# Allegro board 6089-103-RevA_73.brd (continued)
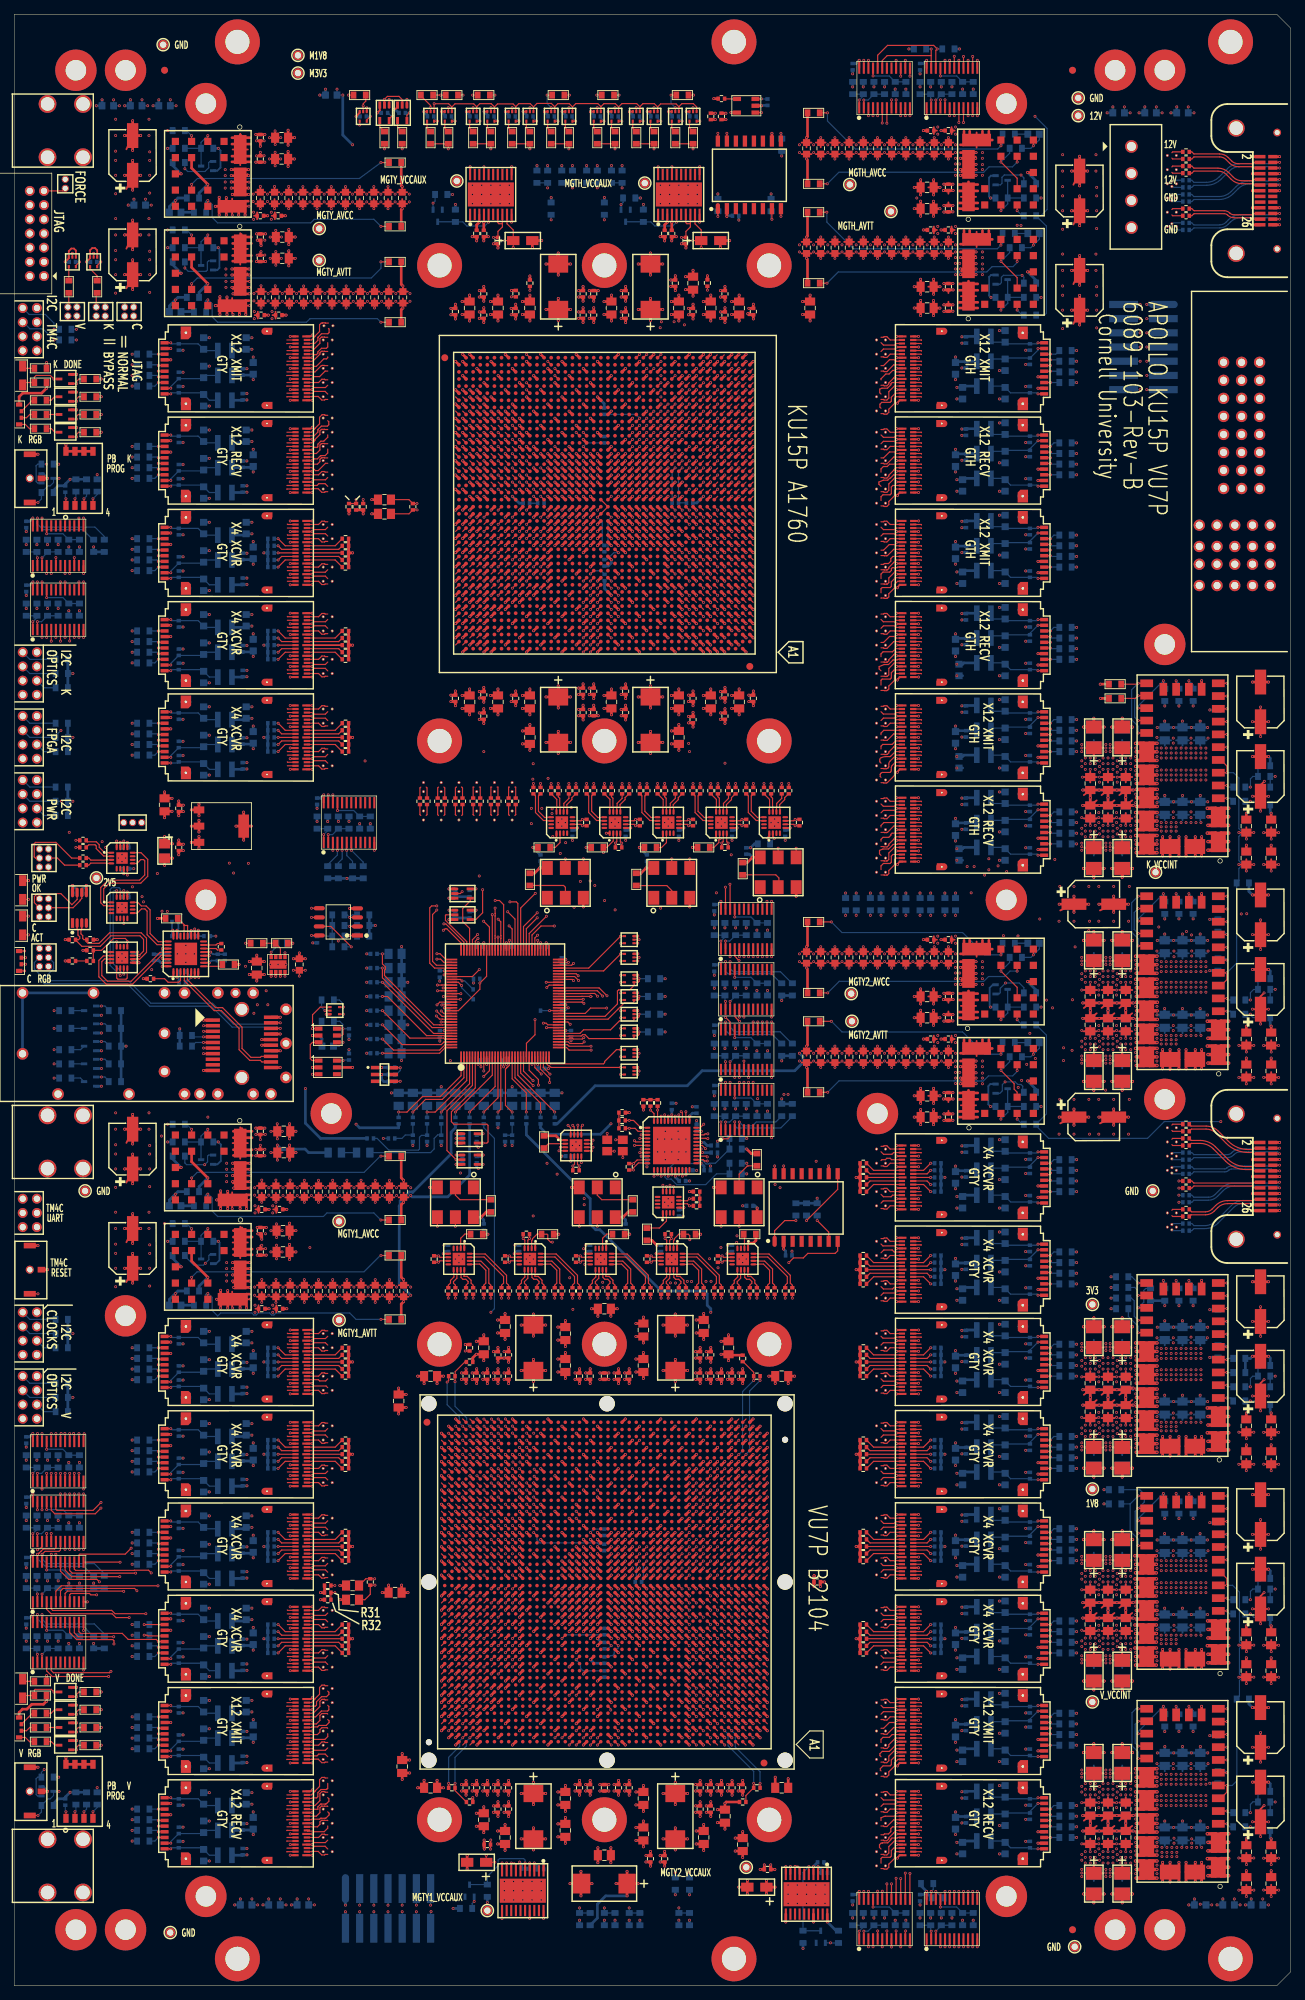
[diagram p0: board, top side]
## Routing (per net, layer and track width the routed paths; a pad name or vN(x,y) marks a point on that pad's centre or on a via; arc(x,y) is an arc through that point) (continued)
; 43.56,57.9 43.56,57.52 ; 43.56,57.9 43.18,57.9 ; J6.1 2.07,110.52 ; J6.1 2.07,111.28 ; J6.1 1.87,111.57 ; J6.1 1.2,111.78 ; J6.1 1.87,110.23 ; J6.1 2.08,110.9 ; J6.1 1.2,110.02 ; J6.1 1.58,111.77 ; J12.1 7.5,255.23 ; J12.1 6.66,255.07 ; J12.1 7.2,255.22 ; J12.1 7.74,255.07 ; J12.1 7.89,254.53 ; J12.1 7.74,254 ; J12.1 6.51,254.53 ; J12.1 6.66,254 ; 23.81,205.97 U22.G1 ; U22.G1 25.15,206.9 ; U22.G1 24.93,207.62 ; U22.G1 23.49,207.62 ; U22.G1 23.49,206.18 ; U22.G1 24.93,206.18 ; U22.G1 24.21,205.96 ; U22.G1 24.21,207.84 ; VA33.4 45.25,64.09 ; VA33.4 45.16,64.22 ; VA33.4 45.16,63.58 ; VA33.4 45.25,63.71 ; VA33.4 44.84,63.52 ; VA33.4 45.02,64.31 ; VA33.4 44.84,64.28 ; VA33.4 45.22,63.9 ; VA22.3 45.02,174.31 ; VA22.3 44.84,173.52 ; VA22.3 45.25,173.71 ; VA22.3 45.22,173.9 ; VA22.3 45.16,173.58 ; VA22.3 45.25,174.09 ; VA22.3 45.16,174.22 ; VA22.3 44.84,174.28 ; VA122.4 123.22,50.9 ; VA122.4 123.16,51.22 ; VA122.4 123.25,51.09 ; VA122.4 122.83,51.28 ; VA122.4 123.02,51.31 ; VA122.4 123.25,50.71 ; VA122.4 123.16,50.58 ; VA122.4 122.83,50.52 ; 43.56,203.9 43.56,204.28 ; 43.56,203.9 43.56,203.52 ; 43.56,203.9 43.18,203.9 ; 43.56,203.9 43.24,203.58 ; 43.56,203.9 43.24,204.22 ; 43.56,203.9 43.15,204.09 ; 43.56,203.9 43.38,203.49 ; 43.56,203.9 43.15,203.71 ; VA78.3 122.83,204.28 ; VA78.3 123.16,204.22 ; VA78.3 123.22,203.9 ; VA78.3 123.02,204.31 ; VA78.3 123.25,203.71 ; VA78.3 123.25,204.09 ; VA78.3 123.16,203.58 ; VA78.3 122.83,203.52 ; VA10.4 45.16,213.22 ; VA10.4 45.02,213.31 ; VA10.4 44.84,213.28 ; VA10.4 45.22,212.9 ; VA10.4 45.25,212.71 ; VA10.4 45.25,213.09 ; VA10.4 44.84,212.52 ; VA10.4 45.16,212.58 ; VA86.3 123.16,186.58 ; VA86.3 123.02,187.31 ; VA86.3 122.83,187.28 ; VA86.3 123.25,187.09 ; VA86.3 122.83,186.52 ; VA86.3 123.22,186.9 ; VA86.3 123.16,187.22 ; VA86.3 123.25,186.71 ; VA90.3 123.22,177.9 ; VA90.3 123.16,177.58 ; VA90.3 123.16,178.22 ; VA90.3 122.83,177.52 ; VA90.3 123.02,178.31 ; VA90.3 123.25,178.09 ; VA90.3 123.25,177.71 ; VA90.3 122.83,178.28 ; U29.G2 24.93,31.62 ; U29.G2 24.21,29.96 ; U29.G2 23.81,29.97 ; U29.G2 25.15,30.9 ; U29.G2 23.49,31.62 ; U29.G2 24.21,31.84 ; U29.G2 23.49,30.18 ; U29.G2 24.93,30.18 ; U104.G2 142.91,232.18 ; U104.G2 142.19,233.84 ; U104.G2 141.47,233.62 ; U104.G2 141.25,232.9 ; U104.G2 141.79,231.97 ; U104.G2 142.19,231.96 ; U104.G2 142.91,233.62 ; U104.G2 141.47,232.18 ; U28.G2 25.15,43.9 ; U28.G2 24.21,42.96 ; U28.G2 23.49,44.62 ; U28.G2 24.21,44.84 ; U28.G2 24.93,44.62 ; U28.G2 23.81,42.97 ; U28.G2 24.93,43.18 ; U28.G2 23.49,43.18 ; 2.53,79.23 J8.8 ; J8.8 2.53,80.57 ; J8.8 3.2,80.78 ; J8.8 3.87,80.57 ; J8.8 4.08,79.9 ; J8.8 3.2,79.02 ; J8.8 2.32,79.9 ; J8.8 3.87,79.23 ; U13.23 39.07,138.35 ; U13.23 38.31,138.59 ; U13.23 39.07,136.83 ; U13.23 37.55,138.35 ; U13.23 39.32,137.59 ; U13.23 38.31,136.59 ; U13.23 37.55,136.83 ; U13.23 37.31,137.59 ; U113.G1 142.91,69.18 ; U113.G1 142.19,70.84 ; U113.G1 141.25,69.9 ; U113.G1 141.47,69.18 ; U113.G1 141.47,70.62 ; U113.G1 141.79,68.97 ; U113.G1 142.91,70.62 ; U113.G1 142.19,68.96 ; 43.48,233.49 VA52.3 ; VA52.3 43.66,233.52 ; VA52.3 43.34,233.58 ; VA52.3 43.34,234.22 ; VA52.3 43.66,234.28 ; VA52.3 43.28,233.9 ; VA52.3 43.25,233.71 ; VA52.3 43.25,234.09 ; 43.18,229.9 43.56,229.9 ; 43.56,229.9 43.24,230.22 ; 43.56,229.9 43.56,230.28 ; 43.56,229.9 43.56,229.52 ; 43.56,229.9 43.24,229.58 ; 43.56,229.9 43.38,229.49 ; 43.56,229.9 43.15,229.71 ; 43.56,229.9 43.15,230.09 ; VA103.3 122.83,112.28 ; VA103.3 123.25,112.09 ; VA103.3 123.02,112.31 ; VA103.3 122.83,111.52 ; VA103.3 123.16,111.58 ; VA103.3 123.16,112.22 ; VA103.3 123.25,111.71 ; VA103.3 123.22,111.9 ; 43.56,28.9 43.56,29.28 ; 43.56,28.9 43.18,28.9 ; 43.56,28.9 43.56,28.52 ; 43.56,28.9 43.24,29.22 ; 43.56,28.9 43.15,29.09 ; 43.56,28.9 43.24,28.58 ; 43.56,28.9 43.15,28.71 ; 43.56,28.9 43.38,28.49 ; J8.7 1.58,80.77 ; J8.7 1.87,79.23 ; J8.7 2.07,79.52 ; J8.7 2.08,79.9 ; J8.7 1.87,80.57 ; J8.7 2.07,80.28 ; J8.7 1.2,80.78 ; J8.7 1.2,79.02 ; U13.30 24.77,126.41 ; U13.30 25.02,125.65 ; U13.30 23.01,125.65 ; U13.30 23.25,124.89 ; U13.30 23.25,126.41 ; U13.30 24.01,126.65 ; U13.30 24.01,124.65 ; U13.30 24.77,124.89 ; VA54.4 58.02,165.86 ; VA54.4 57.89,165.95 ; VA54.4 57.32,165.53 ; VA54.4 58.11,165.72 ; VA54.4 57.29,165.72 ; VA54.4 57.38,165.86 ; VA54.4 57.7,165.92 ; VA54.4 58.08,165.53 ; 121.56,26.52 VA131.4 ; VA131.4 121.38,26.49 ; VA131.4 121.15,26.71 ; VA131.4 121.56,27.28 ; VA131.4 121.18,26.9 ; VA131.4 121.15,27.09 ; VA131.4 121.24,27.22 ; VA131.4 121.24,26.58 ; VA80.3 123.16,200.22 ; VA80.3 123.25,200.09 ; VA80.3 123.22,199.9 ; VA80.3 123.25,199.71 ; VA80.3 123.16,199.58 ; VA80.3 123.02,200.31 ; VA80.3 122.83,200.28 ; VA80.3 122.83,199.52 ; VA74.3 123.02,213.31 ; VA74.3 123.22,212.9 ; VA74.3 123.25,212.71 ; VA74.3 123.16,213.22 ; VA74.3 123.16,212.58 ; VA74.3 123.25,213.09 ; VA74.3 122.83,212.52 ; VA74.3 122.83,213.28 ; 121.18,16.9 VA136.4 ; VA136.4 121.38,16.49 ; VA136.4 121.15,16.71 ; VA136.4 121.15,17.09 ; VA136.4 121.24,17.22 ; VA136.4 121.24,16.58 ; VA136.4 121.56,17.28 ; VA136.4 121.56,16.52 ; VA26.3 45.02,86.31 ; VA26.3 45.22,85.9 ; VA26.3 44.84,86.28 ; VA26.3 45.25,85.71 ; VA26.3 44.84,85.52 ; VA26.3 45.16,86.22 ; VA26.3 45.25,86.09 ; VA26.3 45.16,85.58 ; VA71.3 123.16,219.22 ; VA71.3 123.25,219.09 ; VA71.3 123.22,218.9 ; VA71.3 123.02,219.31 ; VA71.3 122.83,218.52 ; VA71.3 122.83,219.28 ; VA71.3 123.25,218.71 ; VA71.3 123.16,218.58 ; VA64.4 70.61,165.72 ; VA64.4 69.79,165.72 ; VA64.4 70.39,165.95 ; VA64.4 70.52,165.86 ; VA64.4 70.2,165.92 ; VA64.4 69.82,165.53 ; VA64.4 70.58,165.53 ; VA64.4 69.88,165.86 ; VA56.4 60.61,165.72 ; VA56.4 59.79,165.72 ; VA56.4 59.82,165.53 ; VA56.4 59.88,165.86 ; VA56.4 60.2,165.92 ; VA56.4 60.52,165.86 ; VA56.4 60.58,165.53 ; VA56.4 60.39,165.95 ; VA111.4 121.56,86.28 ; VA111.4 121.18,85.9 ; VA111.4 121.24,86.22 ; VA111.4 121.15,85.71 ; VA111.4 121.38,85.49 ; VA111.4 121.24,85.58 ; VA111.4 121.56,85.52 ; VA111.4 121.15,86.09 ; 121.15,178.09 VA90.4 ; VA90.4 121.38,177.49 ; VA90.4 121.24,177.58 ; VA90.4 121.18,177.9 ; VA90.4 121.56,178.28 ; VA90.4 121.56,177.52 ; VA90.4 121.15,177.71 ; VA90.4 121.24,178.22 ; P1.9 174.01,210.97 ; P1.9 173.03,209.99 ; P1.9 172.29,211.71 ; P1.9 173.77,210.23 ; P1.9 172.05,210.97 ; P1.9 173.03,211.95 ; P1.9 172.29,210.23 ; P1.9 173.77,211.71 ; VA112.3 123.16,83.58 ; VA112.3 123.22,83.9 ; VA112.3 123.25,83.71 ; VA112.3 122.83,84.28 ; VA112.3 123.16,84.22 ; VA112.3 123.02,84.31 ; VA112.3 123.25,84.09 ; VA112.3 122.83,83.52 ; J6.5 2.07,107.28 ; J6.5 1.2,107.78 ; J6.5 1.87,107.57 ; J6.5 1.58,107.77 ; J6.5 1.87,106.23 ; J6.5 2.07,106.52 ; J6.5 1.2,106.02 ; J6.5 2.08,106.9 ; VA107.3 123.25,99.09 ; VA107.3 123.22,98.9 ; VA107.3 123.16,99.22 ; VA107.3 122.83,99.28 ; VA107.3 123.25,98.71 ; VA107.3 123.02,99.31 ; VA107.3 123.16,98.58 ; VA107.3 122.83,98.52 ; VA46.4 45.25,28.71 ; VA46.4 45.16,28.58 ; VA46.4 45.22,28.9 ; VA46.4 45.16,29.22 ; VA46.4 45.25,29.09 ; VA46.4 45.02,29.31 ; VA46.4 44.84,28.52 ; VA46.4 44.84,29.28 ; U28.G1 24.93,54.62 ; U28.G1 23.81,52.97 ; U28.G1 23.49,54.62 ; U28.G1 24.21,54.84 ; U28.G1 25.15,53.9 ; U28.G1 24.93,53.18 ; U28.G1 23.49,53.18 ; U28.G1 24.21,52.96 ; 43.15,39.71 43.56,39.9 ; 43.56,39.9 43.56,39.52 ; 43.56,39.9 43.15,40.09 ; 43.56,39.9 43.56,40.28 ; 43.56,39.9 43.18,39.9 ; 43.56,39.9 43.24,39.58 ; 43.56,39.9 43.38,39.49 ; 43.56,39.9 43.24,40.22 ; 62.32,164.26 62.7,164.26 ; 62.7,164.26 62.51,163.85 ; 62.7,164.26 63.08,164.26 ; 62.7,164.26 62.7,163.88 ; 62.7,164.26 62.38,163.94 ; 62.7,164.26 63.02,163.94 ; 62.7,164.26 62.29,164.08 ; 62.7,164.26 63.11,164.08 ; 23.01,139.9 U13.39 ; U13.39 24.77,140.66 ; U13.39 23.25,139.14 ; U13.39 25.02,139.9 ; U13.39 23.25,140.66 ; U13.39 24.77,139.14 ; U13.39 24.01,138.9 ; U13.39 24.01,140.9 ; 11.18,139.02 U13.35 ; U13.35 11.86,139.23 ; U13.35 10.31,139.9 ; U13.35 11.18,140.78 ; U13.35 12.06,139.9 ; U13.35 10.51,140.57 ; U13.35 11.86,140.57 ; U13.35 10.51,139.23 ; 43.56,72.9 43.56,73.28 ; 43.56,72.9 43.15,72.71 ; 43.56,72.9 43.24,73.22 ; 43.56,72.9 43.56,72.52 ; 43.56,72.9 43.38,72.49 ; 43.56,72.9 43.15,73.09 ; 43.56,72.9 43.24,72.58 ; 43.56,72.9 43.18,72.9 ; 121.15,171.71 VA93.4 ; VA93.4 121.24,172.22 ; VA93.4 121.24,171.58 ; VA93.4 121.56,172.28 ; VA93.4 121.38,171.49 ; VA93.4 121.15,172.09 ; VA93.4 121.18,171.9 ; VA93.4 121.56,171.52 ; VA28.4 45.16,79.22 ; VA28.4 45.16,78.58 ; VA28.4 45.02,79.31 ; VA28.4 45.25,78.71 ; VA28.4 45.25,79.09 ; VA28.4 44.84,78.52 ; VA28.4 45.22,78.9 ; VA28.4 44.84,79.28 ; 121.15,19.09 VA135.4 ; VA135.4 121.24,18.58 ; VA135.4 121.15,18.71 ; VA135.4 121.24,19.22 ; VA135.4 121.56,18.52 ; VA135.4 121.38,18.49 ; VA135.4 121.56,19.28 ; VA135.4 121.18,18.9 ; VA17.4 45.02,191.31 ; VA17.4 45.25,191.09 ; VA17.4 45.16,191.22 ; VA17.4 45.22,190.9 ; VA17.4 44.84,190.52 ; VA17.4 45.25,190.71 ; VA17.4 45.16,190.58 ; VA17.4 44.84,191.28 ; VA83.3 123.16,193.22 ; VA83.3 122.83,192.52 ; VA83.3 123.16,192.58 ; VA83.3 123.25,193.09 ; VA83.3 123.25,192.71 ; VA83.3 122.83,193.28 ; VA83.3 123.22,192.9 ; VA83.3 123.02,193.31 ; 43.38,50.49 43.56,50.9 ; 43.56,50.9 43.15,51.09 ; 43.56,50.9 43.56,50.52 ; 43.56,50.9 43.24,51.22 ; 43.56,50.9 43.24,50.58 ; 43.56,50.9 43.15,50.71 ; 43.56,50.9 43.56,51.28 ; 43.56,50.9 43.18,50.9 ; 141.79,192.97 U107.G2 ; U107.G2 141.47,193.18 ; U107.G2 141.47,194.62 ; U107.G2 141.25,193.9 ; U107.G2 142.19,194.84 ; U107.G2 142.91,194.62 ; U107.G2 142.91,193.18 ; U107.G2 142.19,192.96 ; VA102.4 123.02,116.31 ; VA102.4 123.22,115.9 ; VA102.4 123.25,116.09 ; VA102.4 122.83,115.52 ; VA102.4 123.16,115.58 ; VA102.4 123.25,115.71 ; VA102.4 123.16,116.22 ; VA102.4 122.83,116.28 ; VA30.3 45.25,73.09 ; VA30.3 44.84,73.28 ; VA30.3 45.22,72.9 ; VA30.3 45.16,72.58 ; VA30.3 45.02,73.31 ; VA30.3 45.25,72.71 ; VA30.3 45.16,73.22 ; VA30.3 44.84,72.52 ; 141.47,30.18 U116.G1 ; U116.G1 142.91,31.62 ; U116.G1 141.79,29.97 ; U116.G1 141.25,30.9 ; U116.G1 142.91,30.18 ; U116.G1 141.47,31.62 ; U116.G1 142.19,29.96 ; U116.G1 142.19,31.84 ; 121.15,33.71 VA128.4 ; VA128.4 121.18,33.9 ; VA128.4 121.24,34.22 ; VA128.4 121.38,33.49 ; VA128.4 121.24,33.58 ; VA128.4 121.56,34.28 ; VA128.4 121.56,33.52 ; VA128.4 121.15,34.09 ; 121.18,50.9 VA122.3 ; VA122.3 121.15,50.71 ; VA122.3 121.24,51.22 ; VA122.3 121.15,51.09 ; VA122.3 121.24,50.58 ; VA122.3 121.38,50.49 ; VA122.3 121.56,50.52 ; VA122.3 121.56,51.28 ; 121.24,57.58 VA120.4 ; VA120.4 121.15,57.71 ; VA120.4 121.56,57.52 ; VA120.4 121.18,57.9 ; VA120.4 121.56,58.28 ; VA120.4 121.24,58.22 ; VA120.4 121.38,57.49 ; VA120.4 121.15,58.09 ; J1.9 4.2,249.78 ; J1.9 4.2,248.02 ; J1.9 3.53,249.57 ; J1.9 3.32,248.9 ; J1.9 4.87,248.23 ; J1.9 4.87,249.57 ; J1.9 3.53,248.23 ; J1.9 5.08,248.9 ; 141.79,221.97 U104.G1 ; U104.G1 142.19,223.84 ; U104.G1 142.91,222.18 ; U104.G1 141.47,223.62 ; U104.G1 142.19,221.96 ; U104.G1 142.91,223.62 ; U104.G1 141.47,222.18 ; U104.G1 141.25,222.9 ; VA66.4 121.56,230.28 ; VA66.4 121.24,230.22 ; VA66.4 121.18,229.9 ; VA66.4 121.38,229.49 ; VA66.4 121.56,229.52 ; VA66.4 121.15,230.09 ; VA66.4 121.24,229.58 ; VA66.4 121.15,229.71 ; VA5.4 45.25,223.71 ; VA5.4 44.84,224.28 ; VA5.4 45.16,224.22 ; VA5.4 45.02,224.31 ; VA5.4 45.25,224.09 ; VA5.4 45.22,223.9 ; VA5.4 45.16,223.58 ; VA5.4 44.84,223.52 ; VA91.3 123.02,176.31 ; VA91.3 122.83,176.28 ; VA91.3 123.25,176.09 ; VA91.3 123.16,175.58 ; VA91.3 122.83,175.52 ; VA91.3 123.22,175.9 ; VA91.3 123.25,175.71 ; VA91.3 123.16,176.22 ; 44.84,65.52 VA32.4 ; VA32.4 45.16,65.58 ; VA32.4 45.22,65.9 ; VA32.4 45.02,66.31 ; VA32.4 45.25,66.09 ; VA32.4 45.25,65.71 ; VA32.4 44.84,66.28 ; VA32.4 45.16,66.22 ; VA59.4 65.2,169.92 ; VA59.4 64.79,169.72 ; VA59.4 64.88,169.86 ; VA59.4 65.39,169.95 ; VA59.4 65.52,169.86 ; VA59.4 65.61,169.72 ; VA59.4 65.58,169.53 ; VA59.4 64.82,169.53 ; 121.15,179.71 VA89.4 ; VA89.4 121.38,179.49 ; VA89.4 121.56,179.52 ; VA89.4 121.18,179.9 ; VA89.4 121.56,180.28 ; VA89.4 121.24,180.22 ; VA89.4 121.24,179.58 ; VA89.4 121.15,180.09 ; VA125.3 123.25,40.09 ; VA125.3 123.02,40.31 ; VA125.3 122.83,39.52 ; VA125.3 123.25,39.71 ; VA125.3 123.22,39.9 ; VA125.3 123.16,39.58 ; VA125.3 123.16,40.22 ; VA125.3 122.83,40.28 ; VA111.3 123.16,85.58 ; VA111.3 123.22,85.9 ; VA111.3 123.02,86.31 ; VA111.3 122.83,86.28 ; VA111.3 123.25,86.09 ; VA111.3 122.83,85.52 ; VA111.3 123.16,86.22 ; VA111.3 123.25,85.71 ; VA16.4 45.16,193.22 ; VA16.4 44.84,193.28 ; VA16.4 45.16,192.58 ; VA16.4 45.02,193.31 ; VA16.4 45.22,192.9 ; VA16.4 45.25,193.09 ; VA16.4 44.84,192.52 ; VA16.4 45.25,192.71 ; 142.19,169.96 U108.G1 ; U108.G1 142.19,171.84 ; U108.G1 141.79,169.97 ; U108.G1 142.91,170.18 ; U108.G1 141.47,171.62 ; U108.G1 141.25,170.9 ; U108.G1 142.91,171.62 ; U108.G1 141.47,170.18 ; U111.G1 142.91,96.62 ; U111.G1 141.47,96.62 ; U111.G1 142.19,96.84 ; U111.G1 141.47,95.18 ; U111.G1 142.19,94.96 ; U111.G1 142.91,95.18 ; U111.G1 141.79,94.97 ; U111.G1 141.25,95.9 ; VA92.4 121.56,174.28 ; VA92.4 121.15,174.09 ; VA92.4 121.24,174.22 ; VA92.4 121.15,173.71 ; VA92.4 121.56,173.52 ; VA92.4 121.38,173.49 ; VA92.4 121.24,173.58 ; VA92.4 121.18,173.9 ; 163.84,255.9 164.16,255.58 ; 163.84,255.9 163.84,255.52 ; 163.84,255.9 164.16,256.22 ; 163.84,255.9 164.25,255.71 ; 163.84,255.9 164.22,255.9 ; 163.84,255.9 163.84,256.28 ; 163.84,255.9 164.02,256.31 ; 163.84,255.9 164.25,256.09 ; 43.56,171.9 43.56,172.28 ; 43.56,171.9 43.15,171.71 ; 43.56,171.9 43.24,171.58 ; 43.56,171.9 43.38,171.49 ; 43.56,171.9 43.15,172.09 ; 43.56,171.9 43.56,171.52 ; 43.56,171.9 43.24,172.22 ; 43.56,171.9 43.18,171.9 ; 43.15,37.71 43.56,37.9 ; 43.56,37.9 43.56,38.28 ; 43.56,37.9 43.24,38.22 ; 43.56,37.9 43.56,37.52 ; 43.56,37.9 43.38,37.49 ; 43.56,37.9 43.24,37.58 ; 43.56,37.9 43.15,38.09 ; 43.56,37.9 43.18,37.9 ; VA47.4 45.16,27.22 ; VA47.4 45.25,27.09 ; VA47.4 45.16,26.58 ; VA47.4 45.25,26.71 ; VA47.4 45.22,26.9 ; VA47.4 44.84,26.52 ; VA47.4 45.02,27.31 ; VA47.4 44.84,27.28 ; 43.24,35.58 43.56,35.9 ; 43.56,35.9 43.15,36.09 ; 43.56,35.9 43.56,35.52 ; 43.56,35.9 43.18,35.9 ; 43.56,35.9 43.56,36.28 ; 43.56,35.9 43.24,36.22 ; 43.56,35.9 43.15,35.71 ; 43.56,35.9 43.38,35.49 ; VA39.3 45.16,44.58 ; VA39.3 44.84,45.28 ; VA39.3 45.25,44.71 ; VA39.3 45.22,44.9 ; VA39.3 45.25,45.09 ; VA39.3 45.16,45.22 ; VA39.3 44.84,44.52 ; VA39.3 45.02,45.31 ; 141.47,27.18 U117.G2 ; U117.G2 142.19,28.84 ; U117.G2 141.25,27.9 ; U117.G2 141.79,26.97 ; U117.G2 142.19,26.96 ; U117.G2 142.91,27.18 ; U117.G2 142.91,28.62 ; U117.G2 141.47,28.62 ; 121.24,165.22 VA96.4 ; VA96.4 121.18,164.9 ; VA96.4 121.38,164.49 ; VA96.4 121.24,164.58 ; VA96.4 121.15,165.09 ; VA96.4 121.56,165.28 ; VA96.4 121.15,164.71 ; VA96.4 121.56,164.52 ; 121.24,25.22 VA132.4 ; VA132.4 121.24,24.58 ; VA132.4 121.56,24.52 ; VA132.4 121.56,25.28 ; VA132.4 121.15,25.09 ; VA132.4 121.15,24.71 ; VA132.4 121.18,24.9 ; VA132.4 121.38,24.49 ; 44.84,231.52 VA1.4 ; VA1.4 45.25,232.09 ; VA1.4 45.22,231.9 ; VA1.4 45.02,232.31 ; VA1.4 44.84,232.28 ; VA1.4 45.16,232.22 ; VA1.4 45.25,231.71 ; VA1.4 45.16,231.58 ; 121.15,70.71 VA116.4 ; VA116.4 121.56,71.28 ; VA116.4 121.24,70.58 ; VA116.4 121.38,70.49 ; VA116.4 121.18,70.9 ; VA116.4 121.56,70.52 ; VA116.4 121.24,71.22 ; VA116.4 121.15,71.09 ; U105.G1 142.91,209.18 ; U105.G1 141.79,208.97 ; U105.G1 142.19,210.84 ; U105.G1 141.25,209.9 ; U105.G1 142.91,210.62 ; U105.G1 142.19,208.96 ; U105.G1 141.47,210.62 ; U105.G1 141.47,209.18 ; 141.47,92.18 U112.G2 ; U112.G2 141.47,93.62 ; U112.G2 141.25,92.9 ; U112.G2 142.19,91.96 ; U112.G2 141.79,91.97 ; U112.G2 142.19,93.84 ; U112.G2 142.91,93.62 ; U112.G2 142.91,92.18 ; VA15.3 45.25,197.71 ; VA15.3 45.25,198.09 ; VA15.3 45.16,198.22 ; VA15.3 45.16,197.58 ; VA15.3 45.22,197.9 ; VA15.3 45.02,198.31 ; VA15.3 44.84,198.28 ; VA15.3 44.84,197.52 ; U26.G2 24.21,70.84 ; U26.G2 24.93,69.18 ; U26.G2 24.21,68.96 ; U26.G2 23.81,68.97 ; U26.G2 23.49,69.18 ; U26.G2 23.49,70.62 ; U26.G2 24.93,70.62 ; U26.G2 25.15,69.9 ; 122.83,44.52 VA124.3 ; VA124.3 123.16,44.58 ; VA124.3 123.25,45.09 ; VA124.3 123.25,44.71 ; VA124.3 123.02,45.31 ; VA124.3 123.22,44.9 ; VA124.3 123.16,45.22 ; VA124.3 122.83,45.28 ; 43.15,225.71 43.56,225.9 ; 43.56,225.9 43.18,225.9 ; 43.56,225.9 43.56,226.28 ; 43.56,225.9 43.38,225.49 ; 43.56,225.9 43.56,225.52 ; 43.56,225.9 43.24,226.22 ; 43.56,225.9 43.15,226.09 ; 43.56,225.9 43.24,225.58 ; 121.24,78.58 VA113.3 ; VA113.3 121.24,79.22 ; VA113.3 121.15,79.09 ; VA113.3 121.38,78.49 ; VA113.3 121.15,78.71 ; VA113.3 121.18,78.9 ; VA113.3 121.56,79.28 ; VA113.3 121.56,78.52 ; 121.38,44.49 VA124.4 ; VA124.4 121.24,45.22 ; VA124.4 121.56,45.28 ; VA124.4 121.15,44.71 ; VA124.4 121.24,44.58 ; VA124.4 121.15,45.09 ; VA124.4 121.56,44.52 ; VA124.4 121.18,44.9 ; 162.18,255.9 VA138.4 ; VA138.4 162.24,256.22 ; VA138.4 162.15,256.09 ; VA138.4 162.38,255.49 ; VA138.4 162.56,256.28 ; VA138.4 162.24,255.58 ; VA138.4 162.15,255.71 ; VA138.4 162.56,255.52 ; 43.15,221.09 43.56,220.9 ; 43.56,220.9 43.38,220.49 ; 43.56,220.9 43.24,221.22 ; 43.56,220.9 43.56,221.28 ; 43.56,220.9 43.24,220.58 ; 43.56,220.9 43.18,220.9 ; 43.56,220.9 43.56,220.52 ; 43.56,220.9 43.15,220.71 ; 44.84,177.52 VA21.4 ; VA21.4 44.84,178.28 ; VA21.4 45.25,178.09 ; VA21.4 45.02,178.31 ; VA21.4 45.16,178.22 ; VA21.4 45.25,177.71 ; VA21.4 45.16,177.58 ; VA21.4 45.22,177.9 ; 43.24,187.22 43.56,186.9 ; 43.56,186.9 43.15,186.71 ; 43.56,186.9 43.15,187.09 ; 43.56,186.9 43.24,186.58 ; 43.56,186.9 43.56,186.52 ; 43.56,186.9 43.18,186.9 ; 43.56,186.9 43.56,187.28 ; 43.56,186.9 43.38,186.49 ; 14.74,163.9 J16.1 ; J16.1 15.43,164.59 ; J16.1 15.97,164.44 ; J16.1 14.89,164.44 ; J16.1 14.89,163.36 ; J16.1 15.43,163.21 ; J16.1 15.13,163.21 ; J16.1 15.97,163.36 ; 121.15,205.71 VA77.4 ; VA77.4 121.38,205.49 ; VA77.4 121.15,206.09 ; VA77.4 121.56,206.28 ; VA77.4 121.24,205.58 ; VA77.4 121.18,205.9 ; VA77.4 121.24,206.22 ; VA77.4 121.56,205.52 ; 44.84,46.52 VA38.3 ; VA38.3 45.25,47.09 ; VA38.3 44.84,47.28 ; VA38.3 45.16,47.22 ; VA38.3 45.22,46.9 ; VA38.3 45.16,46.58 ; VA38.3 45.25,46.71 ; VA38.3 45.02,47.31 ; 23.49,193.18 U23.G1 ; U23.G1 24.93,193.18 ; U23.G1 25.15,193.9 ; U23.G1 24.21,194.84 ; U23.G1 24.93,194.62 ; U23.G1 24.21,192.96 ; U23.G1 23.49,194.62 ; U23.G1 23.81,192.97 ; 43.56,63.9 43.56,64.28 ; 43.56,63.9 43.15,63.71 ; 43.56,63.9 43.56,63.52 ; 43.56,63.9 43.38,63.49 ; 43.56,63.9 43.15,64.09 ; 43.56,63.9 43.18,63.9 ; 43.56,63.9 43.24,63.58 ; 43.56,63.9 43.24,64.22 ; U24.G1 24.93,181.62 ; U24.G1 24.21,179.96 ; U24.G1 23.81,179.97 ; U24.G1 24.93,180.18 ; U24.G1 25.15,180.9 ; U24.G1 23.49,181.62 ; U24.G1 24.21,181.84 ; U24.G1 23.49,180.18 ; J1.3 5.08,242.9 ; J1.3 4.87,243.57 ; J1.3 4.2,242.02 ; J1.3 3.32,242.9 ; J1.3 4.2,243.78 ; J1.3 4.87,242.23 ; J1.3 3.53,243.57 ; J1.3 3.53,242.23 ; 121.15,159.09 VA99.4 ; VA99.4 121.18,158.9 ; VA99.4 121.24,159.22 ; VA99.4 121.56,159.28 ; VA99.4 121.56,158.52 ; VA99.4 121.15,158.71 ; VA99.4 121.24,158.58 ; VA99.4 121.38,158.49 ; VA92.3 123.16,173.58 ; VA92.3 123.22,173.9 ; VA92.3 123.02,174.31 ; VA92.3 123.16,174.22 ; VA92.3 122.83,174.28 ; VA92.3 122.83,173.52 ; VA92.3 123.25,174.09 ; VA92.3 123.25,173.71 ; 122.83,78.52 VA113.4 ; VA113.4 123.16,78.58 ; VA113.4 123.02,79.31 ; VA113.4 123.22,78.9 ; VA113.4 123.25,78.71 ; VA113.4 123.16,79.22 ; VA113.4 122.83,79.28 ; VA113.4 123.25,79.09 ; VA79.4 121.56,202.28 ; VA79.4 121.38,201.49 ; VA79.4 121.24,202.22 ; VA79.4 121.56,201.52 ; VA79.4 121.24,201.58 ; VA79.4 121.15,201.71 ; VA79.4 121.15,202.09 ; VA79.4 121.18,201.9 ; 30.3,139.9 U13.21 ; U13.21 31.2,140.8 ; U13.21 30.51,140.59 ; U13.21 31.89,139.21 ; U13.21 30.51,139.21 ; U13.21 31.89,140.59 ; U13.21 32.1,139.9 ; U13.21 31.2,139 ; 121.15,184.71 VA87.4 ; VA87.4 121.56,185.28 ; VA87.4 121.38,184.49 ; VA87.4 121.56,184.52 ; VA87.4 121.24,185.22 ; VA87.4 121.18,184.9 ; VA87.4 121.24,184.58 ; VA87.4 121.15,185.09 ; 121.15,175.71 VA91.4 ; VA91.4 121.24,175.58 ; VA91.4 121.56,176.28 ; VA91.4 121.18,175.9 ; VA91.4 121.24,176.22 ; VA91.4 121.38,175.49 ; VA91.4 121.15,176.09 ; VA91.4 121.56,175.52 ; 163.84,106.9 164.25,107.09 ; 163.84,106.9 164.16,107.22 ; 163.84,106.9 163.84,106.52 ; 163.84,106.9 163.84,107.28 ; 163.84,106.9 164.02,107.31 ; 163.84,106.9 164.25,106.71 ; 163.84,106.9 164.16,106.58 ; 163.84,106.9 164.22,106.9 ; VA27.3